# Altium PCB PCB_with_drawing_try2.PcbDoc (part 5 of 5)
Units mm, origin at the board's own origin, x right, y up, seen from the top; angles counter-clockwise.
Board outline 187.5 x 240 mm, 2 copper layers (Top Layer, Bottom Layer), stack 2.8 mm thick; 489 components, 419 nets, 1569 pads, 683 vias.
Unrouted connection lines stored in the file: 11.
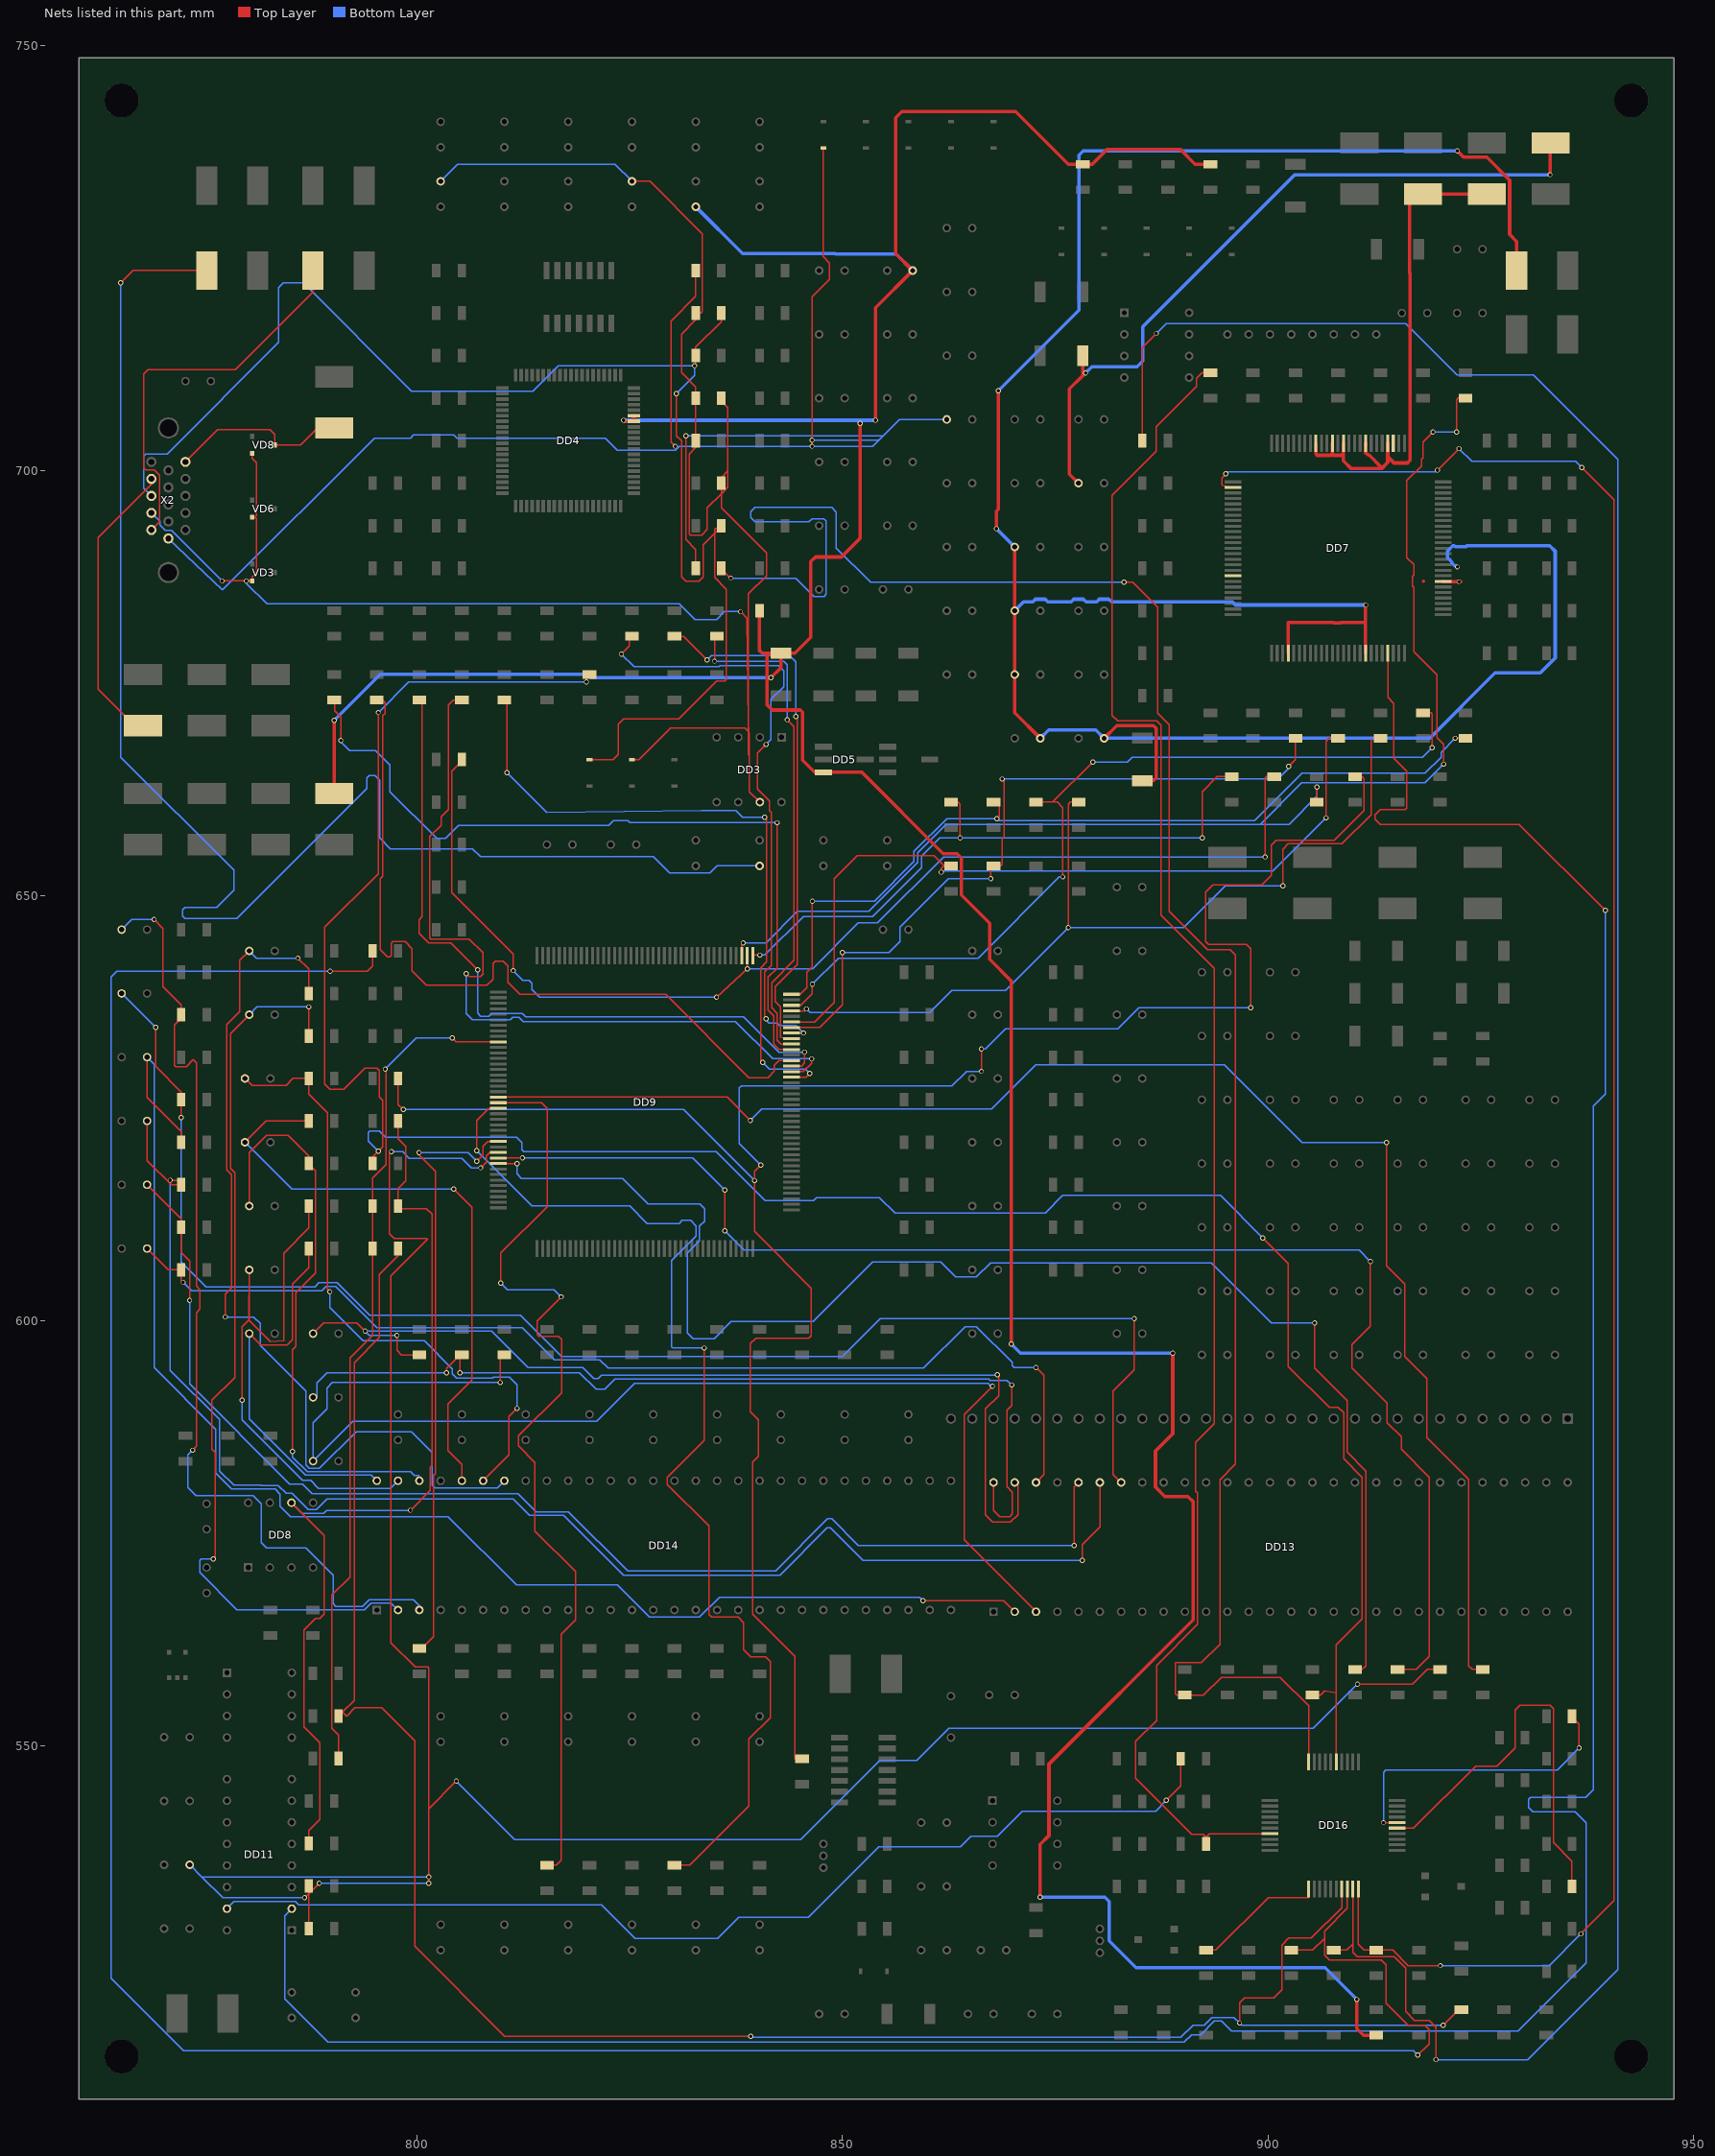
[diagram p5: the nets of this part, all layers, seen from the top]

## Via types
v1: diameter 0.6, hole 0.4, Top Layer to Bottom Layer, 677 vias
v2: diameter 0.5, hole 0.4, Top Layer to Bottom Layer, 3 vias
v3: diameter 0.4, hole 0.4, Top Layer to Bottom Layer, 2 vias
v4: diameter 0.6, hole 0.3, Top Layer to Bottom Layer, 1 vias

## Nets (pads, with @x,y where several pads share a name; then routed paths per layer and width w, separated by ;. In a path a pad name is that pad's centre, name@x,y a point inside that pad or via, vN(x,y) a via of type N, cw(c..) or ccw(c..) an arc to the next point about the centre after c; other vN are vias at no path point) (continued)
O3_3V: C43.1 C46.2 C48.2 C51.2 C53.2 C54.2 DD7.18 DD7.29 DD7.43 DD7.57 DD7.78 L14.2 | length 309.2
  Top Layer w0.4: v1(868.099,693.151) 868.099,695.206 868.321,695.428 v1(868.321,709.37) ; C54.2@870.25,691 C53.2@870.25,683.5 C51.2@870.25,676 870.25,671.5 C48.2@873.25,668.5 ; C46.2@880.75,668.5 882.256,670.006 886.54,670.006 886.87,669.676 886.87,663.834 886.536,663.5 C43.1@885.25,663.5 ; DD7.29@902.4,678.5 902.4,682.1 907.684,682.1 907.739,682.045 908.561,682.045 908.616,682.1 911.45,682.1 911.5,682.05 ; DD7.43@911.5,678.5 911.5,682.05 ; v1(911.508,684.179) 911.5,684.172 911.5,682.05 ; DD7.57@920.6,686.95 920.631,686.919 v2@922.694,686.919 ; v1(922.277,737.57) 923.014,736.834 925.732,736.834 928.424,734.141 928.424,727.753 929.25,726.928 L14.2@929.25,723.5
  Bottom Layer w0.4: v1(868.099,693.151) C54.2@870.25,691 ; v1(868.321,709.37) 877.802,718.85 877.802,737.062 878.31,737.57 v1(922.277,737.57) ; C53.2@870.25,683.5 871.285,684.535 872.365,684.535 872.688,684.858 873.813,684.858 874.113,684.558 876.888,684.558 877.188,684.858 878.313,684.858 878.636,684.535 879.864,684.535 880.187,684.858 881.312,684.858 881.636,684.535 895.836,684.535 896.192,684.179 v1(911.508,684.179) ; C48.2@873.25,668.5 874.223,669.473 879.777,669.473 C46.2@880.75,668.5 919.044,668.5 926.722,676.178 932.031,676.178 933.784,677.931 933.784,690.504 933.149,691.139 923.398,691.139 923.297,691.038 922.003,691.038 921.902,691.139 921.744,691.139 921.109,690.504 921.109,689.75 921.642,689.216 921.642,689.115 921.998,688.759 922.168,688.759 v1(922.285,688.642)
  other v2: 922.45,686.9
OSD_B: DD9.22 R190.2 | length 131.9
  Top Layer w0.15: v1(806.987,620.019) 806.987,623.575 808.412,625 DD9.22@809.55,625 ; R190.2@830.25,536 832.057,536 838.991,542.934 838.991,550.829 841.505,553.344 841.505,559.948 840.947,560.507 839.194,560.507 838.356,561.345 838.356,564.52 837.721,565.155 834.622,565.155 834.292,565.485 834.292,575.875 829.421,580.746 829.421,581.62 833.733,585.932 v1(833.733,596.803)
  Bottom Layer w0.15: v1(806.987,620.019) 813.467,613.539 824.97,613.539 827.049,611.459 830.818,611.459 831.168,611.809 832.139,611.809 832.783,611.164 832.783,609.986 829.898,607.1 829.898,596.956 830.05,596.803 v1(833.733,596.803)
OSD_CLK: C131.1 DD9.30 R175.2 R176.2 R193.2 | length 302.7
  Top Layer w0.15: v1(786.768,532.16) 787.25,532.642 ; R176.2@787.25,528.54 787.25,532.642 ; R175.2@787.25,533.54 787.25,532.642 ; v1(788.47,533.862) 787.25,532.642 ; v1(796.979,619.892) 796.751,619.663 796.751,610.24 797.284,609.707 801.145,609.707 801.221,609.63 796.903,605.312 796.903,562.158 799.773,559.288 801.221,559.288 801.348,559.161 801.348,542.625 ; v1(801.348,533.862) v1(801.348,534.624) 801.348,542.625 ; v1(804.599,545.876) 801.348,542.625 ; v1(807.471,617.999) 808.112,618.64 808.112,619.366 808.546,619.8 DD9.30@809.55,619.8 ; v1(910.543,557.281) 917.02,557.281 918.739,559 R193.2@920.25,559
  Bottom Layer w0.15: C131.1@773.25,536.04 774.666,534.624 ; v1(786.768,532.16) 777.13,532.16 774.666,534.624 ; v1(788.47,533.862) v1(801.348,533.862) ; v1(796.979,619.892) 798.3,619.892 799.062,619.13 805.223,619.13 806.354,617.999 v1(807.471,617.999) ; v1(801.348,534.624) 774.666,534.624 ; v1(804.599,545.876) 811.457,539.018 845.087,539.018 854.383,548.315 858.752,548.315 862.511,552.074 905.336,552.074 v1(910.543,557.281)
OSD_G: DD9.21 R191.2 | length 114
  Top Layer w0.15: DD9.21@809.55,625.65 814.589,625.65 815.267,624.972 815.267,613.415 809.832,607.979 v1(809.832,604.423) ; R191.2@815.25,536 816.338,536 816.918,536.58 816.918,563.148 818.595,564.825 818.595,570.54 813.845,575.29 813.845,583.367 811.921,585.291 811.921,586.498 816.969,591.546 816.969,597.819 816.588,598.2 814.302,598.2 814.099,598.404 814.099,599.978 v1(816.944,602.823)
  Bottom Layer w0.15: v1(809.832,604.423) 810.594,603.661 816.105,603.661 v1(816.944,602.823)
OSD_HS: DD9.31 R194.2 | length 165.8
  Top Layer w0.15: DD9.31@809.55,619.15 v1(812.376,619.15) ; v1(836.146,610.596) v1(836.146,615.371) ; v1(912.067,606.989) 912.067,599.355 909.921,597.21 909.921,594.441 914.022,590.34 914.022,588.04 915.696,586.367 915.696,584.926 919.001,581.621 919.001,560.532 917.469,559 R194.2@915.25,559
  Bottom Layer w0.15: v1(812.376,619.15) 832.367,619.15 v1(836.146,615.371) ; v1(836.146,610.596) 838.407,608.335 910.72,608.335 v1(912.067,606.989)
OSD_R: DD9.20 R192.2 | length 179.4
  Top Layer w0.15: DD9.20@809.55,626.3 836.447,626.3 v1(839.177,623.57) ; v1(913.946,620.959) 913.946,606.455 916.08,604.322 916.08,595.813 918.696,593.197 918.696,586.262 923.598,581.36 923.598,559.432 924.03,559 R192.2@925.25,559
  Bottom Layer w0.15: v1(839.177,623.57) 840.528,624.921 867.54,624.921 872.722,630.103 894.871,630.103 904.015,620.959 v1(913.946,620.959)
OSD_VS: DD9.32 R195.2 | length 169
  Top Layer w0.15: DD9.32@809.55,618.5 811.737,618.5 v1(811.742,618.495) ; v1(905.513,599.75) 905.513,594.441 909.321,590.634 909.321,584.561 911.533,582.348 911.533,559.44 911.093,559 R195.2@910.25,559
  Bottom Layer w0.15: v1(811.742,618.495) 811.742,617.281 812.27,616.753 824.126,616.753 827.133,613.745 833.225,613.745 833.784,613.186 833.784,611.739 833.187,611.142 833.187,609.402 831.777,607.992 831.777,598.556 832.412,597.921 834.901,597.921 836.908,599.928 846.535,599.928 853.545,606.938 861.546,606.938 863.324,605.16 865.737,605.16 867.413,606.836 893.347,606.836 900.433,599.75 v1(905.513,599.75)
P3_3V: C41.1 C44.2 L15.2 | length 87
  Top Layer w0.4: C44.2@877.75,698.5 876.684,699.566 876.684,709.579 878.25,711.145 878.25,711.773 ; C41.1@878.25,713.5 878.25,711.773 ; v1(878.564,711.459) 878.25,711.773 ; v1(933.174,734.776) 933.174,738.5 L15.2@933.25,738.5
  Bottom Layer w0.4: v1(878.564,711.459) 879.301,712.196 884.635,712.196 885.295,712.856 885.295,716.895 903.177,734.776 v1(933.174,734.776)
P3V3: C16.2 C38.1 C40.1 DD4.34 DD4.35 DD5.3 L12.1 R22.1 R52.1 R53.1 R237.2 | length 492.3
  Top Layer w0.4: v1(790.248,670.616) 790.248,662 L12.1@790.25,662 ; v1(824.256,705.896) 824.378,705.775 DD4.34@825.472,705.775 DD4.35@825.472,706.425 ; R22.1@840.25,683.5 840.25,678.82 840.57,678.5 841.48,678.5 ; v1(841.582,675.624) 842.75,676.792 C40.1@842.75,678.5 ; v1(852.075,705.537) 852.075,692.028 849.865,689.818 846.814,689.818 846.281,689.285 846.281,680.38 844.401,678.5 C40.1@842.75,678.5 ; v1(853.892,705.896) 853.892,719.142 C38.1@858.25,723.5 856.254,725.496 856.254,741.473 856.974,742.193 870.36,742.193 876.553,736 R52.1@878.25,736 879.351,736 881.074,737.723 889.745,737.723 891.467,736 R53.1@893.25,736 ; v1(869.852,597.286) 869.852,639.958 867.286,642.523 867.286,646.765 863.959,650.093 863.959,654.436 863.451,654.944 861.831,654.944 852.275,664.5 DD5.3@847.75,664.5 846.724,664.5 845.301,665.924 845.301,671.562 845.036,671.827 841.734,671.827 841.15,672.411 841.15,678.17 841.48,678.5 ; v1(873.23,532.237) 873.23,538.434 874.271,539.476 874.271,547.892 891.204,564.825 891.204,578.744 890.611,579.337 887.902,579.337 886.794,580.446 886.794,584.713 888.826,586.745 v1(888.826,596.219) ; v1(910.466,520.197) 910.466,516.768 911.234,516 R237.2@912.75,516 ; 841.48,678.5 C40.1@842.75,678.5
  Bottom Layer w0.4: v1(790.248,670.616) 795.658,676.026 820.044,676.026 820.446,675.624 v1(841.582,675.624) ; v1(824.256,705.896) 851.716,705.896 ; C16.2@832.75,731 838.238,725.512 849.132,725.512 849.19,725.455 856.295,725.455 C38.1@858.25,723.5 ; v1(852.075,705.537) 851.716,705.896 ; v1(853.892,705.896) 851.716,705.896 ; v1(869.852,597.286) 870.919,596.219 v1(888.826,596.219) ; v1(873.23,532.237) 880.85,532.237 881.358,531.729 881.358,527.08 884.516,523.923 906.741,523.923 v1(910.466,520.197)
PD: DD7.2 DD16.30 R228.2 | length 257.8
  Top Layer w0.15: v1(895.05,699.6) 895.05,699.573 894.591,699.115 894.591,698.229 DD7.2@895.9,698 ; DD16.30@910.65,533.2 910.65,526.68 911.33,526 R228.2@912.75,526 914.684,526 916.499,524.185 v1(920.296,524.185) ; v1(919.941,700.029) v1(922.481,702.569) ; v1(936.806,527.919) 940.718,531.83 940.718,696.549 v1(936.933,700.334)
  Bottom Layer w0.15: v1(895.05,699.6) 895.077,699.6 895.303,699.826 919.737,699.826 v1(919.941,700.029) ; v1(920.296,524.185) 933.072,524.185 v1(936.806,527.919) ; v1(922.481,702.569) 923.979,701.07 936.197,701.07 v1(936.933,700.334)
PDO: DD16.29 R57.2 R227.2 | length 308.1
  Top Layer w0.15: R57.2@885.25,703.5 885.25,714.456 v1(886.901,716.107) ; R227.2@907.75,526 909.298,526 910,526.702 ; DD16.29@910,533.2 910,526.702 ; v1(919.763,513.136) 919.763,516.946 918.95,517.759 917.248,517.759 916.207,518.8 916.207,523.905 914.887,525.225 910.517,525.225 910,525.742 910,526.702
  Bottom Layer w0.15: v1(886.901,716.107) 888.044,717.25 916.232,717.25 922.277,711.205 931.218,711.205 941.124,701.299 941.124,523.702 930.558,513.136 v1(919.763,513.136)
PKA_GND: DD7.79 DD7.83 DD7.87 DD7.89 DD7.92 L16.2 L17.2 | length 63.5
  Top Layer w0.4: DD7.92@905.65,703.2 905.65,701.934 905.802,701.782 907.448,701.782 907.6,701.934 ; DD7.89@907.6,703.2 907.6,701.934 ; DD7.87@908.9,703.2 908.9,701.934 908.892,701.926 ; DD7.83@911.504,703.2 911.504,702.929 911.5,702.925 911.5,702.069 911.592,701.977 911.633,701.977 911.809,701.8 911.909,701.8 913.362,700.347 913.362,700.207 ; DD7.79@914.1,703.2 914.1,701.602 ; L16.2@925.75,732.5 L17.2@918.25,732.5 916.689,732.5 916.689,723.219 916.715,723.194 916.715,701.172 916.418,700.875 914.827,700.875 914.1,701.602 ; 907.6,701.934 907.752,701.782 908.748,701.782 908.892,701.926 ; 908.892,701.926 908.892,701.121 909.806,700.207 913.362,700.207 ; 913.362,700.207 914.1,700.945 914.1,701.602
POWER_ON_OFF: DD16.21 R211.2 | length 15.6
  Top Layer w0.15: R211.2@892.75,526 893.88,526 900.069,532.189 904.8,532.189 DD16.21@904.8,533.2
PSC0: DD16.35 R220.2 | length 49
  Top Layer w0.15: DD16.35@915.2,540.35 917.115,540.35 924.422,547.657 926.928,547.657 929.059,549.788 929.059,554.258 929.618,554.817 933.174,554.817 933.58,554.411 933.58,538.648 935.75,536.478 R220.2@935.75,533.5
PSC1: DD16.36 R210.2 | length 35.8
  Top Layer w0.15: v1(913.591,541) DD16.36@915.2,541 ; R210.2@935.75,553.5 935.75,553.446 936.603,552.593 v1(936.603,549.763)
  Bottom Layer w0.15: v1(913.591,541) 913.591,546.892 913.87,547.172 934.012,547.172 v1(936.603,549.763)
R_IN: L6.1 VD8.3 X2.1 | length 21.4
  Top Layer w0.15: X2.1@772.75,701 776.529,704.779 782.691,704.779 783.25,704.22 VD8.3@783.25,703 783.25,702.975 786.319,702.975 788.343,705 L6.1@790.25,705
R_INA0: DD9.105 R48.2 | length 79.1
  Top Layer w0.15: R48.2@810.25,673 810.543,673 v1(810.543,664.469) ; v1(840.625,630.374) 840.371,630.628 840.371,641.49 841.099,642.219 841.099,658.957 v1(840.845,659.211) ; DD9.105@844,628.65 845.708,628.65 v1(846.154,629.096)
  Bottom Layer w0.15: v1(810.543,664.469) 815.209,659.803 833.426,659.999 837.467,659.999 838.254,659.211 v1(840.845,659.211) ; v1(840.625,630.374) 841.404,629.595 845.655,629.595 v1(846.154,629.096)
R_INA1: DD9.106 R47.2 | length 92.9
  Top Layer w0.15: R47.2@805.25,673 804.218,673 803.662,672.444 803.662,660.116 802.795,659.25 802.795,658.271 801.475,656.951 801.475,645.038 801.602,644.911 806.123,644.911 807.749,643.285 807.749,640.791 807.444,640.487 806.077,640.487 v1(805.742,640.822) ; DD9.106@844,629.3 845.363,629.3 846.357,630.294 v1(846.357,630.814)
  Bottom Layer w0.15: v1(805.742,640.822) 805.742,636.148 806.47,635.42 810.947,635.42 811.246,635.72 811.984,635.72 812.491,635.212 837.404,635.212 841.802,630.814 v1(846.357,630.814)
R_INA2: DD9.107 R46.2 | length 85.2
  Top Layer w0.15: R46.2@800.25,673 800.561,673 800.561,647.519 800.211,647.169 800.211,645.559 801.334,644.436 803.957,644.436 v1(807.114,641.279) ; DD9.107@844,629.95 845.188,629.95 845.544,630.306 v1(845.544,631.601)
  Bottom Layer w0.15: v1(807.114,641.279) 807.114,636.178 807.468,635.824 808.42,635.824 808.72,636.124 812.332,636.124 812.731,635.725 838.39,635.725 842.513,631.601 v1(845.544,631.601)
R_INA3: DD9.108 R45.2 | length 94.6
  Top Layer w0.15: R45.2@795.25,673 795.938,673 796.211,672.727 796.211,671.42 795.961,671.17 795.961,652.302 795.633,651.974 795.633,643.666 796.522,642.777 796.776,642.777 796.954,642.955 796.954,644.403 797.132,644.581 798.579,644.581 799.392,643.768 799.392,641.177 801.094,639.475 808.206,639.475 808.892,640.161 808.892,641.99 809.171,642.269 810.111,642.269 810.644,641.736 810.644,639.806 812.07,638.38 829.2,638.38 838.975,628.604 841.226,628.604 841.988,629.366 841.988,630.052 842.536,630.6 DD9.108@844,630.6
R_INA4: DD9.110 R44.2 | length 93.1
  Top Layer w0.15: R44.2@790.25,673 790.274,673 790.274,671.759 791.01,671.022 v1(791.01,668.228) ; v1(842.304,658.576) 842.304,641.468 841.261,640.424 841.261,636.533 841.906,635.888 841.906,632.541 842.547,631.9 DD9.110@844,631.9
  Bottom Layer w0.15: v1(791.01,668.228) 791.01,668.09 792.066,667.034 795.099,667.034 796.788,665.345 796.788,662.234 802.294,656.728 803.352,656.728 804.876,658.252 822.497,658.252 823.054,658.809 824.784,658.809 825.017,658.576 v1(842.304,658.576)
R_INA5: DD9.111 R43.2 | length 59.7
  Top Layer w0.15: v1(834.952,677.575) 834.952,680.5 R43.2@835.25,680.5 ; v1(843.512,670.692) 844.299,669.905 844.299,642.39 841.665,639.755 841.665,636.817 842.31,636.172 842.31,632.99 842.75,632.55 DD9.111@844,632.55
  Bottom Layer w0.15: v1(834.952,677.575) 843.106,677.575 843.512,677.169 v1(843.512,670.692)
R_INA6: DD9.112 R42.2 | length 62.8
  Top Layer w0.15: R42.2@830.25,680.5 831.291,680.5 v1(834.063,677.728) ; DD9.112@844,633.2 842.714,633.314 842.714,636.91 842.069,637.555 842.069,639.288 844.706,641.925 844.706,670.895 v1(844.528,671.073)
  Bottom Layer w0.15: v1(834.063,677.728) 834.571,678.236 843.766,678.236 844.528,677.474 v1(844.528,671.073)
R_INA7: DD9.113 R41.2 | length 72.6
  Top Layer w0.15: v1(824.005,678.414) 824.945,679.353 824.945,680.5 R41.2@825.25,680.5 ; v1(841.019,667.767) 840.007,666.755 840.007,662.539 841.385,661.16 841.385,659.995 841.613,659.767 841.613,641.793 840.857,641.036 840.857,635.679 v1(841.023,635.513) ; DD9.113@844,633.85 v1(845.407,633.85)
  Bottom Layer w0.15: v1(824.005,678.414) 825.478,676.94 835.48,676.94 835.581,677.042 842.471,677.042 843.091,676.422 843.091,674.569 841.597,673.076 841.597,668.345 v1(841.019,667.767) ; v1(841.023,635.513) 841.023,635.386 841.381,635.028 842.311,635.028 842.621,634.718 844.539,634.718 v1(845.407,633.85)
R_INB0: DD9.114 R65.2 R107.2 | length 86.5
  Top Layer w0.15: DD9.114@844,634.5 847.318,634.5 849.989,637.171 v1(849.989,643.311) ; v1(867.439,651.998) 867.439,653.5 R65.2@867.75,653.5 868.594,653.5 868.768,653.674 868.768,656.688 868.995,656.915 868.995,663.58 868.868,663.707 v1(868.785,663.707) ; v1(902.465,665.203) 903.253,665.991 903.253,668.5 R107.2@903.25,668.5
  Bottom Layer w0.15: v1(849.989,643.311) 855.45,643.311 856.766,644.627 856.766,646.308 862.456,651.998 v1(867.439,651.998) ; v1(868.785,663.707) 901.198,663.707 902.465,664.975 v1(902.465,665.203)
R_INB1: DD9.115 R64.2 R106.2 | length 95.2
  Top Layer w0.15: DD9.115@844,635.15 846.717,635.15 848.998,637.431 848.998,651.972 851.721,654.694 860.736,654.694 861.931,653.5 ; v1(861.597,652.76) 861.597,653.166 861.931,653.5 ; R64.2@862.75,653.5 861.931,653.5 ; v1(906.834,659.135) 906.834,668.152 907.182,668.5 R106.2@908.25,668.5
  Bottom Layer w0.15: v1(861.597,652.76) 861.749,652.912 900.611,652.912 v1(906.834,659.135)
R_INB2: DD9.117 R63.2 R105.2 | length 106.4
  Top Layer w0.15: DD9.117@844,636.45 845.516,636.45 v1(845.747,636.681) ; v1(876.532,646.232) 876.532,660.746 876.786,661 R63.2@877.75,661 ; v1(901.78,651.134) 901.78,655.452 902.415,656.087 908.73,656.087 912.168,659.525 912.168,668.322 R105.2@913.25,668.5
  Bottom Layer w0.15: v1(845.747,636.681) 846.196,636.233 860.242,636.233 862.859,638.849 869.149,638.849 v1(876.532,646.232) 890.12,646.232 895.022,651.134 v1(901.78,651.134)
R_INB3: DD9.118 R61.2 R104.2 | length 102.8
  Top Layer w0.15: DD9.118@844,637.1 845.084,637.1 846.458,638.474 v1(846.458,639.602) ; R61.2@872.75,661 874.714,661 ; v1(875.897,652.201) 875.897,660.354 875.251,661 874.714,661 ; v1(879.423,665.709) 874.714,661 ; R104.2@918.25,671.5 919.204,671.5 919.331,671.373 v1(919.331,667.394)
  Bottom Layer w0.15: v1(846.458,639.602) 849.506,642.65 865.94,642.65 875.491,652.201 v1(875.897,652.201) ; v1(879.423,665.709) 883.519,665.709 884.057,666.247 918.184,666.247 v1(919.331,667.394)
R_INB4: DD9.120 R60.2 R103.2 | length 101.2
  Top Layer w0.15: DD9.120@844,638.4 845.017,638.4 845.829,639.213 845.829,640.993 846.458,641.622 v1(846.458,649.356) ; R60.2@867.75,661 868.404,661 868.404,659.313 v1(868.15,659.059) ; v1(922.016,668.5) R103.2@923.25,668.5
  Bottom Layer w0.15: v1(846.458,649.356) 853.748,649.356 858.395,654.002 858.395,655.198 862.255,659.059 v1(868.15,659.059) 868.408,658.801 898.448,658.801 904.027,664.38 918.481,664.38 920.364,666.262 920.364,666.848 v1(922.016,668.5)
R_INB5: DD9.121 R58.2 R102.2 | length 74.2
  Top Layer w0.15: DD9.121@839.45,642.95 839.45,643.006 v1(840.286,643.006) ; R58.2@862.75,661 863.578,661 863.832,660.746 v1(863.832,656.798) ; v1(892.28,656.798) 892.28,662.222 894.058,664 R102.2@895.75,664
  Bottom Layer w0.15: v1(840.286,643.006) 840.87,643.006 845.389,647.525 853.543,647.525 859.302,653.284 859.302,654.649 861.45,656.798 v1(863.832,656.798) v1(892.28,656.798)
R_INB6: DD9.122 R55.2 R101.2 | length 137.1
  Top Layer w0.15: R55.2@805.25,666 805.25,665.841 804.066,664.656 804.066,650.372 811.279,643.158 v1(811.279,641.187) ; v1(835.181,638.053) v1(838.8,641.397) DD9.122@838.8,642.95 ; v1(899.671,654.557) 899.671,663.834 899.837,664 R101.2@900.75,664
  Bottom Layer w0.15: v1(811.279,641.187) 812.413,640.054 813.127,640.054 813.477,639.704 813.477,638.989 814.413,638.053 v1(835.181,638.053) ; v1(838.8,641.397) 846.475,641.397 851.869,646.791 854.096,646.791 861.863,654.557 v1(899.671,654.557)
R_INB7: DD9.123 R54.2 R100.2 | length 154.2
  Top Layer w0.15: DD9.123@838.15,642.95 838.15,644.248 v1(838.33,644.428) ; R100.2@905.75,661 905.767,661 v1(905.767,662.767) ; v1(919.407,704.499) 918.246,703.338 918.246,701.496 918.056,701.306 918.056,700.507 916.34,698.791 916.34,691.323 916.34,690.752 916.34,689.748 917.157,688.93 917.157,687.7 916.982,687.524 916.982,686.416 917.157,686.241 917.157,678.694 919.864,675.987 919.864,668.609 920.677,667.796 v1(920.677,665.46) ; v1(922.176,704.499) 922.176,708.297 922.379,708.5 R54.2@923.25,708.5
  Bottom Layer w0.15: v1(838.33,644.428) 840.997,644.428 844.706,648.137 853.1,648.137 858.854,653.89 858.854,655.063 862.188,658.397 899.111,658.397 ; v1(905.767,662.767) 905.767,661.675 902.489,658.397 899.111,658.397 ; v1(919.407,704.499) v1(922.176,704.499) ; v1(920.677,665.46) 918.484,663.267 903.981,663.267 899.111,658.397
RA0: C127.2 DD14.50 R168.1 | length 109.3
  Top Layer w0.15: v1(777.421,600.461) 777.421,603.128 778.152,603.859 778.152,617.206 777.624,617.733 777.624,634.827 779.148,636.351 779.148,642.398 C127.2@780.25,643.5 ; v1(785.981,642.65) 787.25,641.381 R168.1@787.25,638.5
  Bottom Layer w0.15: v1(777.421,600.461) 780.774,600.461 781.561,599.674 781.561,597.083 786.921,591.723 786.921,583.062 787.312,582.671 788.511,582.671 792.814,586.974 799.316,586.974 801.754,584.535 801.754,580.7 802.083,580.371 809.421,580.371 DD14.50@810.25,581.2 ; C127.2@780.25,643.5 781.1,642.65 v1(785.981,642.65)
RA1: C125.2 DD14.2 R167.1 | length 106.2
  Top Layer w0.15: v1(776.024,572.013) 776.253,572.242 776.253,584.531 775.867,584.917 775.867,590.652 778.556,593.341 778.556,617.399 778.031,617.924 778.031,633.781 C125.2@780.25,636 ; R167.1@787.25,633.5 v1(787.25,636.91)

## Text inside footprints (layer, text, board x,y; h text height)
ZBOAS442988188: Mechanical 12 "R220" at 284.361,2266.918 h1; Mechanical 12 "RX_D1+" at 260,2450 h1 r90; Mechanical 12 "R101" at 252.005,2397.061 h1; Mechanical 12 "R100" at 257.009,2397.061 h1; Mechanical 12 "R98" at 266.509,2397.061 h1; Mechanical 12 "L23" at 274.6,2388.806 h1; Mechanical 12 "R233" at 249.009,2259.069 h1; Mechanical 12 "R227" at 259.009,2259.051 h1; Mechanical 12 "R134" at 226.348,2349.396 h1; Mechanical 12 "C111" at 233.389,2348.511 h1; Mechanical 12 "R218" at 233.853,2266.921 h1; Mechanical 12 "R214" at 241.339,2266.914 h1; Mechanical 12 "R124" at 208.862,2349.411 h1; Mechanical 12 "R140" at 186.498,2332.062 h1; Mechanical 12 "R139" at 191.491,2332.062 h1; Mechanical 12 "R137" at 201.502,2332.062 h1; Mechanical 12 "R25" at 153.859,2446.915 h1; Mechanical 12 "R155" at 151.497,2332.055 h1; Mechanical 12 "R153" at 161.49,2332.058 h1; Mechanical 12 "R142" at 176.512,2332.062 h1; Mechanical 12 "R71" at 284.354,2436.914 h1; Mechanical 12 "R69" at 284.354,2426.906 h1; Mechanical 12 "R67" at 284.354,2416.899 h1; Mechanical 12 "C98" at 281.897,2353.5 h1; Mechanical 12 "C146" at 281.897,2346.007 h1; Mechanical 12 "C140" at 281.897,2331.021 h1; Mechanical 12 "R210" at 284.361,2286.908 h1; Mechanical 12 "R215" at 284.361,2276.9 h1; Mechanical 12 "R222" at 284.361,2261.914 h1; Mechanical 12 "R224" at 284.361,2256.91 h1; Mechanical 12 "R216" at 283.992,2252.061 h1; Mechanical 12 "R49" at 249.491,2469.07 h1; Mechanical 12 "C45" at 266.89,2453.5 h1; Mechanical 12 "R106" at 259.498,2404.554 h1; Mechanical 12 "R105" at 264.502,2404.554 h1; Mechanical 12 "R103" at 274.51,2404.554 h1; Mechanical 12 "R82" at 249.491,2404.554 h1; Mechanical 12 "C138" at 251.41,2376.004 h1; Mechanical 12 "C141" at 251.41,2368.511 h1; Mechanical 12 "C64" at 274.092,2372.499 h1; Mechanical 12 "C157" at 274.404,2353.5 h1; Mechanical 12 "C147" at 251.41,2353.5 h1; Mechanical 12 "C142" at 258.903,2353.5 h1; Mechanical 12 "C89" at 266.403,2353.5 h1; Mechanical 12 "C153" at 274.404,2346.007 h1; Mechanical 12 "C150" at 251.41,2346.007 h1; Mechanical 12 "C145" at 258.903,2346.007 h1; Mechanical 12 "C75" at 266.403,2346.007 h1; Mechanical 12 "C155" at 274.404,2331.021 h1; Mechanical 12 "C152" at 251.41,2331.021 h1; Mechanical 12 "C149" at 258.903,2331.021 h1; Mechanical 12 "C81" at 266.403,2331.021 h1; Mechanical 12 "DD16" at 251.6,2281.468 h1; Mechanical 12 "R223" at 273.996,2252.061 h1; Mechanical 12 "R200" at 249.006,2252.047 h1; Mechanical 12 "R185" at 259.008,2252.069 h1; Mechanical 12 "VD11" at 219.195,2473.715 h1; Mechanical 12 "R50" at 234.505,2469.07 h1; Mechanical 12 "VD16" at 227.189,2461.196 h1; Mechanical 12 "VD15" at 232.193,2461.196 h1; Mechanical 12 "VD13" at 242.201,2461.196 h1; Mechanical 12 "DD6" at 234.987,2452.128 h1; Mechanical 12 "R60" at 218.996,2394.064 h1; Mechanical 12 "R65" at 218.992,2386.546 h1; Mechanical 12 "C95" at 233.389,2386.016 h1; Mechanical 12 "R127" at 226.356,2374.412 h1; Mechanical 12 "C99" at 233.389,2378.508 h1; Mechanical 12 "C66" at 243.409,2376.004 h1; Mechanical 12 "C67" at 243.409,2368.511 h1; Mechanical 12 "R132" at 226.348,2359.408 h1; Mechanical 12 "R131" at 226.348,2364.401 h1; Mechanical 12 "C105" at 233.389,2363.497 h1; Mechanical 12 "R133" at 226.348,2354.415 h1; Mechanical 12 "C108" at 233.389,2356.004 h1; Mechanical 12 "C69" at 243.409,2353.5 h1; Mechanical 12 "R135" at 226.348,2344.418 h1; Mechanical 12 "C68" at 243.409,2346.007 h1; Mechanical 12 "R136" at 226.348,2339.399 h1; Mechanical 12 "C117" at 233.389,2333.5 h1; Mechanical 12 "C73" at 243.409,2331.021 h1; Mechanical 12 "DD13" at 218.84,2313.821 h1; Mechanical 12 "C160" at 218.409,2291.004 h1; Mechanical 12 "R184" at 241.342,2276.907 h1; Mechanical 12 "R181" at 233.853,2276.907 h1; Mechanical 12 "DD17" at 219.475,2277.161 h1; Mechanical 12 "R238" at 223.997,2264.055 h1; Mechanical 12 "C171" at 217.393,2261.007 h1; Mechanical 12 "R232" at 234.009,2252.047 h1; Mechanical 12 "VD9" at 209.188,2473.715 h1; Mechanical 12 "R43" at 186.489,2416.555 h1; Mechanical 12 "R21" at 186.507,2409.063 h1; Mechanical 12 "R119" at 208.862,2374.401 h1; Mechanical 12 "R122" at 208.845,2359.397 h1; Mechanical 12 "R121" at 208.862,2364.415 h1; Mechanical 12 "R123" at 208.862,2354.404 h1; Mechanical 12 "R125" at 208.862,2344.418 h1; Mechanical 12 "R126" at 208.862,2339.399 h1; Mechanical 12 "R146" at 186.509,2294.558 h1; Mechanical 12 "R145" at 191.502,2294.558 h1; Mechanical 12 "R204" at 191.488,2269.049 h1; Mechanical 12 "R189" at 186.509,2269.049 h1; Mechanical 12 "C165" at 210.408,2268.5 h1; Mechanical 12 "C167" at 210.408,2261.007 h1; Mechanical 12 "C18" at 159.907,2474.518 h1; Mechanical 12 "C17" at 152.412,2474.515 h1; Mechanical 12 "C20" at 159.892,2467.511 h1; Mechanical 12 "C10" at 152.399,2467.511 h1; Mechanical 12 "R24" at 153.849,2456.912 h1; Mechanical 12 "R23" at 153.849,2451.908 h1; Mechanical 12 "R26" at 153.843,2441.912 h1; Mechanical 12 "R27" at 153.859,2436.908 h1; Mechanical 12 "R29" at 153.859,2426.9 h1; Mechanical 12 "R41" at 176.499,2416.566 h1; Mechanical 12 "R38" at 161.495,2416.546 h1; Mechanical 12 "R48" at 161.488,2409.048 h1; Mechanical 12 "R46" at 151.5,2409.046 h1; Mechanical 12 "R19" at 176.499,2409.071 h1; Mechanical 12 "VD1" at 176.688,2398.71 h1; Mechanical 12 "R76" at 153.848,2394.419 h1; Mechanical 12 "R78" at 153.848,2384.411 h1; Mechanical 12 "DD9" at 160.888,2376.248 h1; Mechanical 12 "R196" at 151.492,2294.548 h1; Mechanical 12 "R151" at 161.494,2294.558 h1; Mechanical 12 "R148" at 176.498,2294.558 h1; Mechanical 12 "C124" at 152.393,2287.014 h1; Mechanical 12 "C122" at 159.912,2286.999 h1; Mechanical 12 "C120" at 167.405,2286.999 h1; Mechanical 12 "R207" at 176.502,2269.049 h1; Mechanical 12 "C170" at 159.89,2262.496 h1; Mechanical 12 "C164" at 167.409,2262.496 h1; Mechanical 12 "C126" at 152.393,2262.503 h1; Mechanical 12 "L2" at 138.101,2459.054 h1; Mechanical 12 "R32" at 146.36,2426.915 h1; Mechanical 12 "R113" at 146.346,2376.913 h1; Mechanical 12 "R114" at 146.346,2371.92 h1; Mechanical 12 "R169" at 146.346,2361.908 h1; Mechanical 12 "R109" at 146.342,2351.9 h1; Mechanical 12 "R112" at 146.356,2341.918 h1; Mechanical 12 "R117" at 129.011,2319.566 h1; Mechanical 12 "C132" at 121.405,2278.544 h1; Mechanical 12 "C131" at 121.405,2271.051 h1; Mechanical 12 "C129" at 134.893,2254.541 h1; Mechanical 12 "L15" at 282.358,2472.804 h1; Mechanical 12 "R70" at 284.354,2431.91 h1; Mechanical 12 "R68" at 284.354,2421.902 h1; Mechanical 12 "R66" at 284.354,2411.92 h1; Mechanical 12 "C94" at 281.897,2361.018 h1; Mechanical 12 "C143" at 281.897,2338.514 h1; Mechanical 12 "R213" at 284.361,2281.904 h1; Mechanical 12 "R217" at 284.361,2271.896 h1; Mechanical 12 "L18" at 260.108,2472.804 h1; Mechanical 12 "L17" at 267.601,2472.804 h1; Mechanical 12 "L16" at 275.094,2472.804 h1; Mechanical 12 "R72" at 259.498,2444.559 h1; Mechanical 12 "R62" at 249.491,2444.559 h1; Mechanical 12 "R54" at 274.51,2444.559 h1; Mechanical 12 "C137" at 274.092,2377.503 h1; Mechanical 12 "C156" at 274.404,2361.018 h1; Mechanical 12 "C144" at 251.41,2361.018 h1; Mechanical 12 "C139" at 258.903,2361.018 h1; Mechanical 12 "C85" at 266.403,2361.018 h1; Mechanical 12 "C154" at 274.404,2338.514 h1; Mechanical 12 "C151" at 251.41,2338.514 h1; Mechanical 12 "C148" at 258.903,2338.514 h1; Mechanical 12 "C77" at 266.403,2338.514 h1; Mechanical 12 "R203" at 256.502,2292.046 h1; Mechanical 12 "R202" at 251.509,2292.046 h1; Mechanical 12 "R194" at 266.498,2292.069 h1; Mechanical 12 "R221" at 274.003,2259.561 h1; Mechanical 12 "C102" at 233.389,2371.015 h1; Mechanical 12 "R128" at 226.348,2369.419 h1; Mechanical 12 "C65" at 243.409,2361.018 h1; Mechanical 12 "C114" at 233.389,2341.018 h1; Mechanical 12 "C71" at 243.409,2338.514 h1; Mechanical 12 "R187" at 241.498,2292.046 h1; Mechanical 12 "R183" at 241.342,2281.9 h1; Mechanical 12 "R182" at 233.853,2281.9 h1; Mechanical 12 "R226" at 233.845,2271.914 h1; Mechanical 12 "R201" at 241.338,2271.914 h1; Mechanical 12 "C159" at 215.894,2253.499 h1; Mechanical 12 "C40" at 193.412,2411.82 h1; Mechanical 12 "DD3" at 186.278,2401.432 h1; Mechanical 12 "R120" at 208.862,2369.408 h1; Mechanical 12 "C92" at 184.891,2322.504 h1; Mechanical 12 "C87" at 192.409,2322.504 h1; Mechanical 12 "DD15" at 201.01,2283.943 h1; Mechanical 12 "C161" at 210.408,2276.018 h1; Mechanical 12 "DD4" at 161.234,2444.666 h1; Mechanical 12 "R28" at 153.859,2431.904 h1; Mechanical 12 "R30" at 153.859,2421.896 h1; Mechanical 12 "R55" at 153.848,2399.397 h1; Mechanical 12 "R77" at 153.848,2389.415 h1; Mechanical 12 "R79" at 153.848,2379.408 h1; Mechanical 12 "C103" at 162.412,2322.512 h1; Mechanical 12 "C100" at 169.905,2322.504 h1; Mechanical 12 "C96" at 177.398,2322.512 h1; Mechanical 12 "L1" at 138.112,2468.796 h1; Mechanical 12 "R31" at 146.36,2431.919 h1; Mechanical 12 "R33" at 146.36,2421.911 h1; Mechanical 12 "R115" at 146.349,2366.901 h1; Mechanical 12 "R110" at 146.356,2356.904 h1; Mechanical 12 "R116" at 146.356,2346.896 h1; Mechanical 12 "DD14" at 146.34,2314.003 h1; Mechanical 12 "DD12" at 129.483,2292.209 h1; Mechanical 12 "C133" at 121.405,2286.037 h1; Mechanical 12 "DD11" at 129.483,2279.687 h1; Mechanical 12 "C130" at 121.405,2263.558 h1; Mechanical 12 "R208" at 278.849,2284.419 h1; Mechanical 12 "R97" at 271.512,2397.061 h1; Mechanical 12 "R209" at 269.002,2259.069 h1; Mechanical 12 "RX_D2+" at 265,2450 h1 r90; Mechanical 12 "R99" at 261.505,2397.061 h1; Mechanical 12 "L22" at 264.593,2388.806 h1; Mechanical 12 "R228" at 264.002,2259.068 h1; Mechanical 12 "RX_D1-" at 257.5,2450 h1 r90; Mechanical 12 "RX_D0+" at 255,2450 h1 r90; Mechanical 12 "L21" at 254.357,2388.806 h1; Mechanical 12 "R225" at 253.991,2259.051 h1; Mechanical 12 "RX_CLK-" at 247.5,2450 h1 r90; Mechanical 12 "RX_CLK+" at 250,2450 h1 r90; Mechanical 12 "R102" at 247.001,2397.061 h1; Mechanical 12 "L19" at 244.349,2388.806 h1; Mechanical 12 "R211" at 244.013,2259.061 h1; Mechanical 12 "C57" at 224.599,2454.999 h1; Mechanical 12 "C82" at 216.41,2348.511 h1; Mechanical 12 "ZQ1" at 212.49,2291.538 h1; Mechanical 12 "C70" at 205.897,2381.008 h1; Mechanical 12 "C15" at 204.904,2390.018 h1; Mechanical 12 "R130" at 206.506,2332.052 h1; Mechanical 12 "R231" at 203.854,2266.9 h1; Mechanical 12 "C39" at 197.41,2390.002 h1; Mechanical 12 "R138" at 196.509,2332.062 h1; Mechanical 12 "R14" at 191.84,2446.909 h1; Mechanical 12 "C37" at 189.892,2390.002 h1; Mechanical 12 "R3" at 184.354,2446.912 h1; Mechanical 12 "C11" at 182.406,2390.018 h1; Mechanical 12 "R141" at 181.505,2332.062 h1; Mechanical 12 "R143" at 171.494,2332.062 h1; Mechanical 12 "R144" at 166.501,2332.062 h1; Mechanical 12 "R154" at 156.497,2332.065 h1; Mechanical 12 "R175" at 138.855,2266.936 h1; Mechanical 12 "C119" at 131.404,2348.496 h1; Mechanical 12 "R158" at 123.839,2349.396 h1; Mechanical 12 "C110" at 116.39,2381.019 h1; Mechanical 12 "L13" at 279.604,2451.316 h1; Mechanical 12 "R90" at 277.344,2436.914 h1; Mechanical 12 "R92" at 277.344,2426.906 h1; Mechanical 12 "R94" at 277.344,2416.899 h1; Mechanical 12 "R179" at 276.505,2366.555 h1; Mechanical 12 "R230" at 278.849,2279.415 h1; Mechanical 12 "R234" at 278.849,2274.411 h1; Mechanical 12 "R229" at 278.849,2264.403 h1; Mechanical 12 "R219" at 279.01,2252.061 h1; Mechanical 12 "C50" at 273.392,2461.018 h1; Mechanical 12 "C47" at 273.392,2453.5 h1; Mechanical 12 "R104" at 269.506,2404.554 h1; Mechanical 12 "R180" at 271.502,2366.555 h1; Mechanical 12 "R236" at 269.01,2252.069 h1; Mechanical 12 "C42" at 264.096,2460.002 h1; Mechanical 12 "C136" at 261.596,2372.499 h1; Mechanical 12 "C135" at 261.596,2367.52 h1; Mechanical 12 "R237" at 264.001,2252.061 h1; Mechanical 12 "C52" at 253.91,2469.299 h1; Mechanical 12 "R107" at 254.494,2404.554 h1; Mechanical 12 "R198" at 254.008,2252.061 h1; Mechanical 12 "R53" at 244.512,2469.07 h1; Mechanical 12 "VD12" at 247.205,2461.196 h1; Mechanical 12 "R83" at 244.512,2404.554 h1; Mechanical 12 "R186" at 243.994,2252.061 h1; Mechanical 12 "R51" at 239.508,2469.07 h1; Mechanical 12 "VD14" at 237.197,2461.196 h1; Mechanical 12 "R57" at 236.841,2436.914 h1; Mechanical 12 "R88" at 236.841,2426.906 h1; Mechanical 12 "R86" at 236.841,2416.899 h1; Mechanical 12 "R84" at 236.841,2406.916 h1; Mechanical 12 "R212" at 239.006,2252.061 h1; Mechanical 12 "R52" at 229.501,2469.07 h1; Mechanical 12 "C49" at 228.891,2441.003 h1; Mechanical 12 "C44" at 228.891,2433.51 h1; Mechanical 12 "C59" at 228.891,2418.499 h1; Mechanical 12 "C60" at 228.891,2411.006 h1; Mechanical 12 "R63" at 229.004,2394.064 h1; Mechanical 12 "R75" at 229,2386.546 h1; Mechanical 12 "VT4" at 230.605,2262.148 h1; Mechanical 12 "C41" at 224.599,2447.506 h1; Mechanical 12 "C56" at 221.398,2441.003 h1; Mechanical 12 "C55" at 221.398,2433.51 h1; Mechanical 12 "C53" at 221.398,2418.499 h1; Mechanical 12 "C51" at 221.398,2411.006 h1; Mechanical 12 "R61" at 224,2394.064 h1; Mechanical 12 "R74" at 223.996,2386.546 h1; Mechanical 12 "VD10" at 214.192,2473.715 h1; Mechanical 12 "C36" at 213.39,2463.502 h1; Mechanical 12 "C12" at 213.39,2456.019 h1; Mechanical 12 "C5" at 213.399,2441.019 h1; Mechanical 12 "C4" at 213.399,2433.5 h1; Mechanical 12 "C2" at 213.391,2418.514 h1; Mechanical 12 "C1" at 213.391,2411.007 h1; Mechanical 12 "R58" at 213.992,2394.064 h1; Mechanical 12 "R64" at 213.988,2386.546 h1; Mechanical 12 "C72" at 216.41,2378.508 h1; Mechanical 12 "C76" at 216.402,2363.497 h1; Mechanical 12 "C78" at 216.41,2356.004 h1; Mechanical 12 "C91" at 216.41,2333.5 h1; Mechanical 12 "X1" at 213.844,2323.07 h1; Mechanical 12 "VD7" at 204.209,2473.715 h1; Mechanical 12 "C30" at 206.411,2451.005 h1; Mechanical 12 "C31" at 206.411,2443.497 h1; Mechanical 12 "C33" at 206.411,2428.507 h1; Mechanical 12 "C34" at 205.911,2421 h1; Mechanical 12 "DD2" at 206.664,2400.561 h1; Mechanical 12 "R205" at 203.854,2261.896 h1; Mechanical 12 "VD17" at 204.108,2256.714 h1; Mechanical 12 "C163" at 206.598,2252.509 h1; Mechanical 12 "VD5" at 199.206,2473.715 h1; Mechanical 12 "C28" at 198.406,2451.016 h1; Mechanical 12 "C27" at 198.406,2443.508 h1; Mechanical 12 "C25" at 198.406,2428.518 h1; Mechanical 12 "C24" at 198.398,2421.017 h1; Mechanical 12 "DD5" at 199.101,2400.554 h1; Mechanical 12 "VT2" at 197.428,2271.98 h1; Mechanical 12 "C23" at 189.912,2474.51 h1; Mechanical 12 "C8" at 189.889,2467.511 h1; Mechanical 12 "R16" at 191.84,2456.916 h1; Mechanical 12 "R15" at 191.838,2451.916 h1; Mechanical 12 "R13" at 191.838,2441.909 h1; Mechanical 12 "R12" at 191.838,2436.905 h1; Mechanical 12 "R10" at 191.862,2426.897 h1; Mechanical 12 "R22" at 191.84,2416.911 h1; Mechanical 12 "C112" at 189.891,2286.996 h1; Mechanical 12 "C169" at 189.888,2262.496 h1; Mechanical 12 "C22" at 182.396,2474.501 h1; Mechanical 12 "C16" at 182.396,2467.503 h1; Mechanical 12 "R1" at 184.354,2456.919 h1; Mechanical 12 "R2" at 184.355,2451.915 h1; Mechanical 12 "R4" at 184.338,2441.908 h1; Mechanical 12 "R5" at 184.354,2436.904 h1; Mechanical 12 "R7" at 184.355,2426.896 h1; Mechanical 12 "R42" at 181.51,2416.547 h1; Mechanical 12 "R20" at 181.503,2409.052 h1; Mechanical 12 "VD4" at 181.702,2398.698 h1; Mechanical 12 "R147" at 181.491,2294.558 h1; Mechanical 12 "C115" at 182.391,2286.999 h1; Mechanical 12 "R190" at 181.506,2269.049 h1; Mechanical 12 "C166" at 182.395,2262.496 h1; Mechanical 12 "C21" at 174.889,2474.518 h1; Mechanical 12 "C13" at 174.903,2467.503 h1; Mechanical 12 "R40" at 171.503,2416.555 h1; Mechanical 12 "R18" at 171.506,2409.056 h1; Mechanical 12 "VD2" at 171.695,2398.709 h1; Mechanical 12 "C61" at 173.901,2391.017 h1; Mechanical 12 "R149" at 171.505,2294.558 h1; Mechanical 12 "C118" at 174.898,2286.999 h1; Mechanical 12 "R206" at 171.498,2269.049 h1; Mechanical 12 "C168" at 174.902,2262.496 h1; Mechanical 12 "C19" at 167.389,2474.51 h1; Mechanical 12 "C7" at 167.41,2467.511 h1; Mechanical 12 "R39" at 166.499,2416.555 h1; Mechanical 12 "R17" at 166.492,2409.056 h1; Mechanical 12 "C63" at 166.408,2391.017 h1; Mechanical 12 "R150" at 166.512,2294.558 h1; Mechanical 12 "R191" at 166.494,2269.049 h1; Mechanical 12 "R37" at 156.491,2416.547 h1; Mechanical 12 "R47" at 156.509,2409.063 h1; Mechanical 12 "R152" at 156.501,2294.558 h1; Mechanical 12 "R36" at 151.488,2416.546 h1; Mechanical 12 "R35" at 146.509,2416.546 h1; Mechanical 12 "R45" at 146.496,2409.055 h1; Mechanical 12 "L6" at 139.34,2445.313 h1; Mechanical 12 "R34" at 141.505,2416.546 h1; Mechanical 12 "R44" at 141.493,2409.055 h1; Mechanical 12 "L12" at 139.592,2396.307 h1; Mechanical 12 "R129" at 138.856,2376.897 h1; Mechanical 12 "R168" at 138.847,2371.918 h1; Mechanical 12 "R166" at 138.847,2361.907 h1; Mechanical 12 "R164" at 138.847,2351.896 h1; Mechanical 12 "R162" at 138.847,2341.91 h1; Mechanical 12 "C88" at 138.912,2333.502 h1; Mechanical 12 "C84" at 138.912,2326.009 h1; Mechanical 12 "R177" at 138.993,2299.064 h1; Mechanical 12 "R171" at 139.338,2286.951 h1; Mechanical 12 "R173" at 138.855,2276.943 h1; Mechanical 12 "R176" at 138.855,2261.957 h1; Mechanical 12 "C128" at 142.411,2254.541 h1; Mechanical 12 "VD8" at 132.705,2436.829 h1; Mechanical 12 "VD6" at 132.705,2429.347 h1; Mechanical 12 "L5" at 131.849,2410.304 h1; Mechanical 12 "L11" at 132.11,2396.307 h1; Mechanical 12 "C127" at 131.404,2378.519 h1; Mechanical 12 "C123" at 130.896,2363.507 h1; Mechanical 12 "C121" at 130.896,2356.014 h1; Mechanical 12 "C113" at 131.404,2333.51 h1; Mechanical 12 "R111" at 134.004,2319.569 h1; Mechanical 12 "DD8" at 131.198,2311.438 h1; Mechanical 12 "R178" at 134,2299.057 h1; Mechanical 12 "C172" at 123.904,2445.504 h1; Mechanical 12 "L4" at 124.341,2410.304 h1; Mechanical 12 "L10" at 124.602,2396.307 h1; Mechanical 12 "R81" at 123.857,2374.413 h1; Mechanical 12 "R160" at 123.839,2359.407 h1; Mechanical 12 "R108" at 123.839,2364.4 h1; Mechanical 12 "R159" at 123.839,2354.414 h1; Mechanical 12 "R157" at 123.839,2344.403 h1; Mechanical 12 "R156" at 123.839,2339.41 h1; Mechanical 12 "R118" at 124.006,2319.558 h1; Mechanical 12 "C62" at 124.907,2304.514 h1; Mechanical 12 "DD10" at 122.726,2293.657 h1; Mechanical 12 "L20" at 122.091,2254.109 h1; Mechanical 12 "X2" at 116.082,2439.325 h1; Mechanical 12 "L3" at 116.859,2410.304 h1; Mechanical 12 "L9" at 117.094,2396.307 h1; Mechanical 12 "C104" at 116.39,2366.019 h1; Mechanical 12 "C101" at 116.388,2358.5 h1; Mechanical 12 "C93" at 116.403,2343.503 h1; Mechanical 12 "L14" at 279.604,2458.809 h1; Mechanical 12 "R91" at 277.344,2431.91 h1; Mechanical 12 "R93" at 277.344,2421.902 h1; Mechanical 12 "R95" at 277.344,2411.92 h1; Mechanical 12 "R192" at 276.512,2292.069 h1; Mechanical 12 "R235" at 278.849,2269.407 h1; Mechanical 12 "R96" at 269.506,2444.559 h1; Mechanical 12 "R193" at 271.5,2292.069 h1; Mechanical 12 "VT1" at 270.388,2267.703 h1; Mechanical 12 "R73" at 264.502,2444.559 h1; Mechanical 12 "C134" at 261.596,2377.503 h1; Mechanical 12 "R195" at 261.503,2292.063 h1; Mechanical 12 "R59" at 254.494,2444.559 h1; Mechanical 12 "R56" at 244.512,2444.559 h1; Mechanical 12 "DD7" at 247.255,2436.507 h1; Mechanical 12 "R188" at 246.491,2292.046 h1; Mechanical 12 "R89" at 236.841,2431.91 h1; Mechanical 12 "R87" at 236.841,2421.902 h1; Mechanical 12 "R85" at 236.841,2411.92 h1; Mechanical 12 "C43" at 235.902,2401.811 h1; Mechanical 12 "VT3" at 236.651,2261.57 h1; Mechanical 12 "C58" at 228.891,2426.017 h1; Mechanical 12 "C46" at 228.891,2403.513 h1; Mechanical 12 "C54" at 221.398,2426.017 h1; Mechanical 12 "C48" at 221.398,2403.513 h1; Mechanical 12 "R199" at 221.838,2281.911 h1; Mechanical 12 "C162" at 223.412,2253.499 h1; Mechanical 12 "C9" at 213.399,2448.512 h1; Mechanical 12 "C3" at 213.391,2426.007 h1; Mechanical 12 "C74" at 216.41,2371.015 h1; Mechanical 12 "C86" at 216.41,2341.018 h1; Mechanical 12 "C38" at 206.393,2458.512 h1; Mechanical 12 "C32" at 206.393,2436.015 h1; Mechanical 12 "C14" at 203.404,2411.812 h1; Mechanical 12 "C6" at 208.395,2411.812 h1; Mechanical 12 "C79" at 207.41,2322.512 h1; Mechanical 12 "R239" at 203.854,2271.903 h1; Mechanical 12 "C29" at 198.388,2458.498 h1; Mechanical 12 "C26" at 198.388,2436 h1; Mechanical 12 "C35" at 198.411,2411.812 h1; Mechanical 12 "C83" at 199.902,2322.504 h1; Mechanical 12 "L24" at 200.095,2293.798 h1; Mechanical 12 "R197" at 196.488,2281.555 h1; Mechanical 12 "C158" at 198.393,2253.499 h1; Mechanical 12 "R11" at 191.838,2431.901 h1; Mechanical 12 "R9" at 191.854,2421.914 h1; Mechanical 12 "R6" at 184.355,2431.9 h1; Mechanical 12 "R8" at 184.354,2421.918 h1; Mechanical 12 "DD1" at 166.92,2456.811 h1; Mechanical 12 "C106" at 154.893,2322.512 h1; Mechanical 12 "C109" at 147.4,2322.512 h1; Mechanical 12 "R167" at 138.847,2366.9 h1; Mechanical 12 "R165" at 138.847,2356.914 h1; Mechanical 12 "R163" at 138.847,2346.903 h1; Mechanical 12 "C80" at 138.912,2318.516 h1; Mechanical 12 "R170" at 139.338,2291.955 h1; Mechanical 12 "R172" at 139.338,2281.947 h1; Mechanical 12 "R174" at 138.855,2271.94 h1; Mechanical 12 "VD3" at 132.71,2421.84 h1; Mechanical 12 "C125" at 131.404,2371 h1; Mechanical 12 "C116" at 131.404,2341.003 h1; Mechanical 12 "L7" at 125.604,2468.798 h1; Mechanical 12 "L8" at 125.604,2458.815 h1; Mechanical 12 "R80" at 123.857,2379.417 h1; Mechanical 12 "R161" at 123.839,2369.418 h1; Mechanical 12 "C90" at 124.892,2311.997 h1; Mechanical 12 "C107" at 116.39,2373.501 h1; Mechanical 12 "C97" at 116.412,2351.007 h1; Mechanical 12 "RX_D2-" at 262.5,2450 h1 r90; Mechanical 12 "RX_D0-" at 252.5,2450 h1 r90
ZBOAS1663388188: Mechanical 7 "184" at 424.487,2235.531 h3.84; Mechanical 7 "180" at 428.285,2235.531 h3.84; Mechanical 7 "176" at 432.38,2235.531 h3.84; Mechanical 7 "172" at 436.292,2235.531 h3.84; Mechanical 7 "168" at 440.324,2235.531 h3.84; Mechanical 7 "164" at 444.487,2235.531 h3.84; Mechanical 7 "160" at 448.285,2235.531 h3.84; Mechanical 7 "156" at 452.457,2235.531 h3.84; Mechanical 7 "152" at 456.369,2235.531 h3.84; Mechanical 7 "148" at 460.324,2235.531 h3.84; Mechanical 7 "144" at 464.487,2235.531 h3.84; Mechanical 7 "140" at 468.285,2235.531 h3.84; Mechanical 7 "136" at 472.457,2235.531 h3.84; Mechanical 7 "132" at 476.369,2235.531 h3.84; Mechanical 7 "128" at 480.324,2235.531 h3.84; Mechanical 7 "124" at 484.487,2235.531 h3.84; Mechanical 7 "120" at 488.285,2235.531 h3.84; Mechanical 7 "116" at 492.607,2235.531 h3.84; Mechanical 7 "112" at 496.519,2235.531 h3.84; Mechanical 7 "108" at 500.324,2235.531 h3.84; Mechanical 7 "104" at 504.487,2235.531 h3.84; Mechanical 7 "100" at 508.285,2235.531 h3.84; Mechanical 7 "96" at 512.757,2235.531 h3.84; Mechanical 7 "92" at 516.669,2235.531 h3.84; Mechanical 7 "88" at 520.605,2235.531 h3.84; Mechanical 7 "84" at 524.768,2235.531 h3.84; Mechanical 7 "80" at 528.566,2235.531 h3.84; Mechanical 7 "76" at 532.832,2235.531 h3.84; Mechanical 7 "72" at 536.744,2235.531 h3.84; Mechanical 7 "68" at 540.605,2235.531 h3.84; Mechanical 7 "64" at 544.768,2235.531 h3.84; Mechanical 7 "60" at 548.566,2235.531 h3.84; Mechanical 7 "56" at 552.684,2235.531 h3.84; Mechanical 7 "52" at 556.596,2235.531 h3.84; Mechanical 7 "48" at 560.626,2235.531 h3.84; Mechanical 7 "44" at 564.789,2235.531 h3.84; Mechanical 7 "40" at 568.587,2235.531 h3.84; Mechanical 7 "36" at 572.684,2235.531 h3.84; Mechanical 7 "32" at 576.596,2235.531 h3.84; Mechanical 7 "28" at 580.551,2235.531 h3.84; Mechanical 7 "24" at 584.714,2235.531 h3.84; Mechanical 7 "20" at 588.512,2235.531 h3.84; Mechanical 7 "16" at 593.059,2235.531 h3.84; Mechanical 7 "12" at 596.971,2235.531 h3.84; Mechanical 7 "8" at 601.284,2235.531 h3.84; Mechanical 7 "4" at 605.468,2235.531 h3.84; Mechanical 7 "0" at 609.245,2235.531 h3.84; Mechanical 7 "240" at 614,2478.947 h3.84; Mechanical 7 "236" at 614,2474.947 h3.84; Mechanical 7 "232" at 614,2470.947 h3.84; Mechanical 7 "228" at 614,2466.947 h3.84; Mechanical 7 "224" at 614,2462.947 h3.84; Mechanical 7 "220" at 614,2458.947 h3.84; Mechanical 7 "216" at 614,2454.947 h3.84; Mechanical 7 "212" at 614,2450.947 h3.84; Mechanical 7 "208" at 614,2446.947 h3.84; Mechanical 7 "204" at 614,2442.947 h3.84; Mechanical 7 "200" at 614,2438.947 h3.84; Mechanical 7 "196" at 614,2434.947 h3.84; Mechanical 7 "192" at 614,2430.947 h3.84; Mechanical 7 "188" at 614,2426.947 h3.84; Mechanical 7 "184" at 614,2422.947 h3.84; Mechanical 7 "180" at 614,2418.947 h3.84; Mechanical 7 "176" at 614,2414.947 h3.84; Mechanical 7 "172" at 614,2410.947 h3.84; Mechanical 7 "168" at 614,2406.947 h3.84; Mechanical 7 "164" at 614,2402.947 h3.84; Mechanical 7 "160" at 614,2398.947 h3.84; Mechanical 7 "156" at 614,2394.947 h3.84; Mechanical 7 "152" at 614,2390.947 h3.84; Mechanical 7 "148" at 614,2386.947 h3.84; Mechanical 7 "144" at 614,2382.947 h3.84; Mechanical 7 "140" at 614,2378.947 h3.84; Mechanical 7 "136" at 614,2374.947 h3.84; Mechanical 7 "132" at 614,2370.947 h3.84; Mechanical 7 "128" at 614,2366.947 h3.84; Mechanical 7 "124" at 614,2362.947 h3.84; Mechanical 7 "120" at 614,2358.947 h3.84; Mechanical 7 "116" at 614,2354.947 h3.84; Mechanical 7 "112" at 614,2350.947 h3.84; Mechanical 7 "108" at 614,2346.947 h3.84; Mechanical 7 "104" at 614,2342.947 h3.84; Mechanical 7 "100" at 614,2338.947 h3.84; Mechanical 7 "96" at 614,2334.947 h3.84; Mechanical 7 "92" at 614,2330.947 h3.84; Mechanical 7 "88" at 614,2326.947 h3.84; Mechanical 7 "84" at 614,2322.947 h3.84; Mechanical 7 "80" at 614,2318.947 h3.84; Mechanical 7 "76" at 614,2314.947 h3.84; Mechanical 7 "72" at 614,2310.947 h3.84; Mechanical 7 "68" at 614,2306.947 h3.84; Mechanical 7 "64" at 614,2302.947 h3.84; Mechanical 7 "60" at 614,2298.947 h3.84; Mechanical 7 "56" at 614,2294.947 h3.84; Mechanical 7 "52" at 614,2290.947 h3.84; Mechanical 7 "48" at 614,2286.947 h3.84; Mechanical 7 "44" at 614,2282.947 h3.84; Mechanical 7 "40" at 614,2278.947 h3.84; Mechanical 7 "36" at 614,2274.947 h3.84; Mechanical 7 "32" at 614,2270.947 h3.84; Mechanical 7 "28" at 614,2266.947 h3.84; Mechanical 7 "24" at 614,2262.947 h3.84; Mechanical 7 "20" at 614,2258.947 h3.84; Mechanical 7 "16" at 614,2254.947 h3.84; Mechanical 7 "12" at 614,2250.947 h3.84; Mechanical 7 "8" at 614,2246.947 h3.84; Mechanical 7 "4" at 614,2242.947 h3.84; Mechanical 7 "0" at 614,2238.947 h3.84